# KiCad board slime88.kicad_pcb
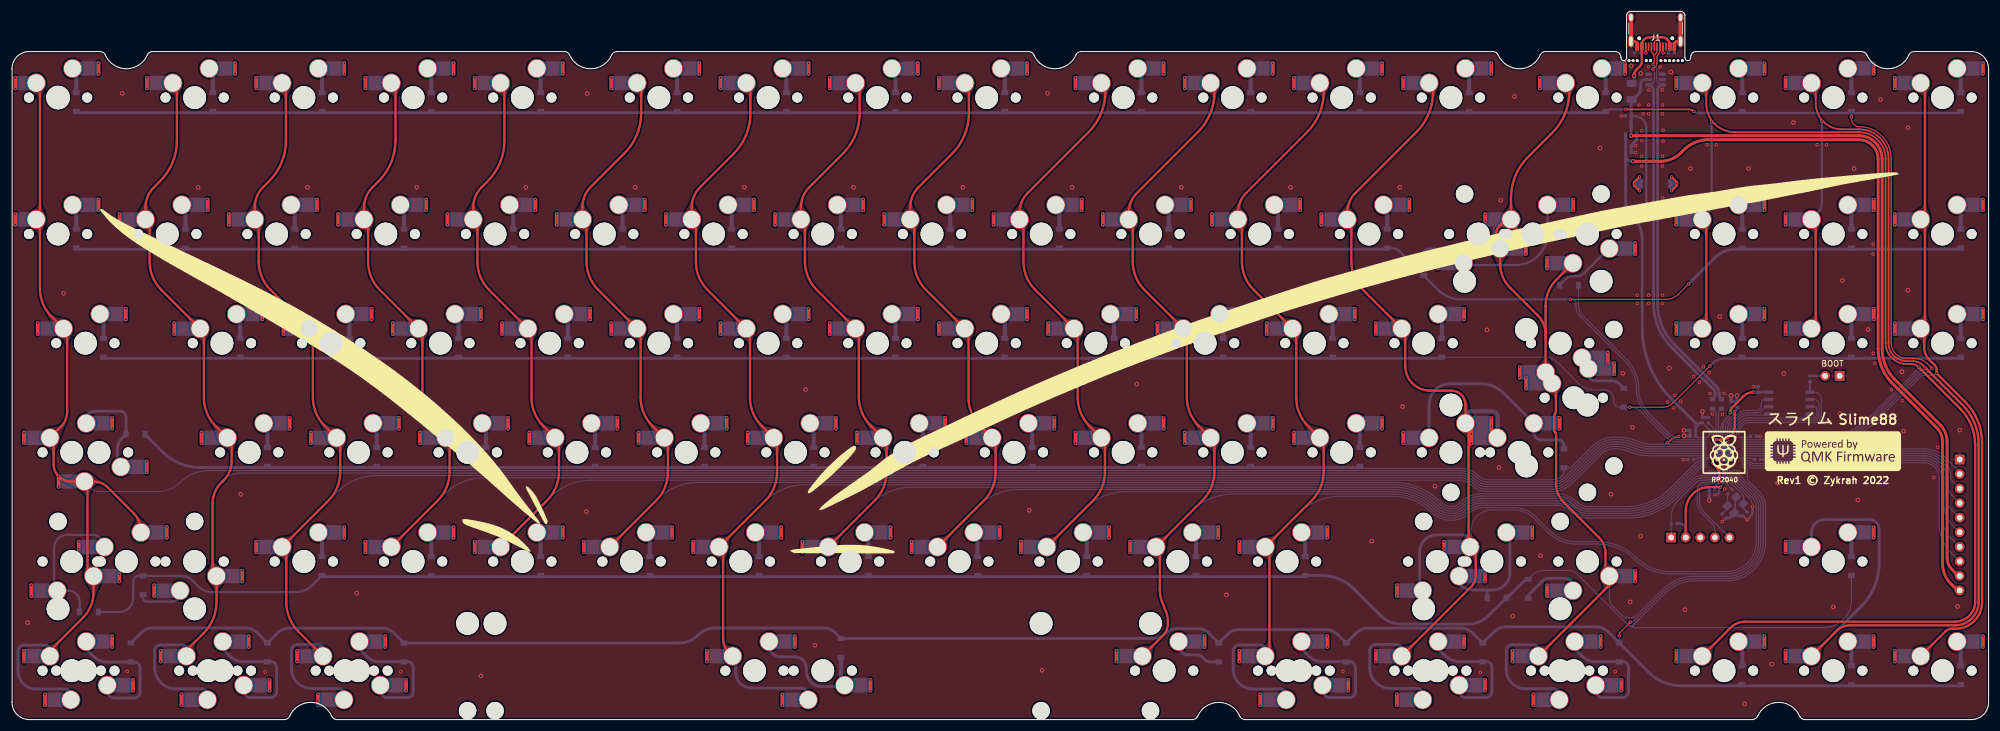
[diagram p0: board, top side]
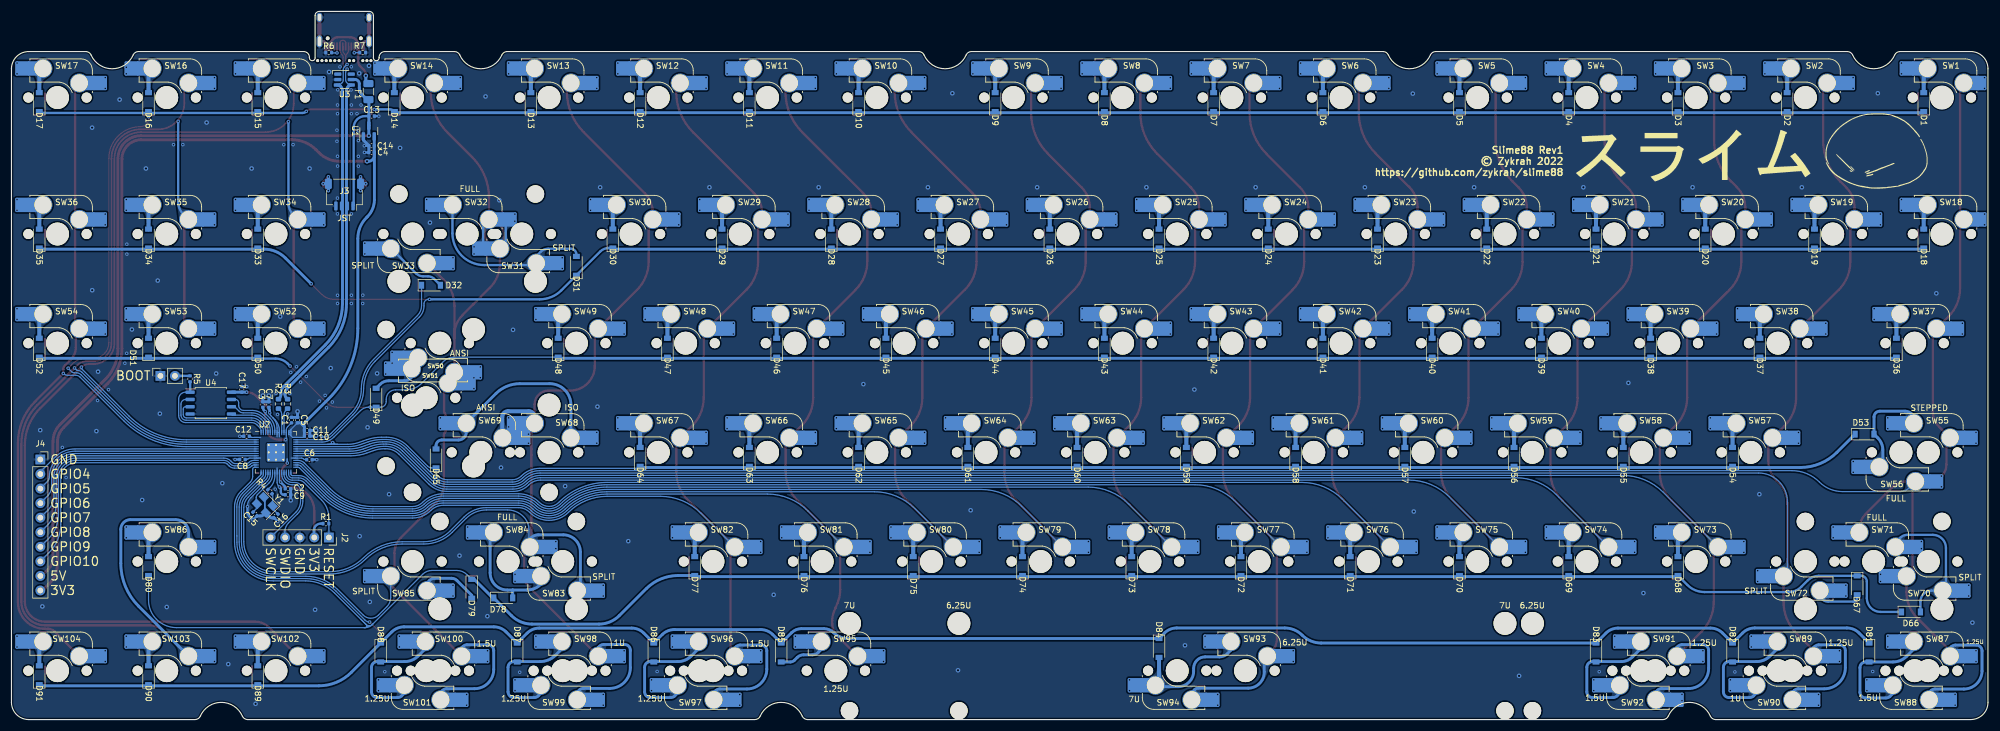
[diagram p1: board, bottom side, seen from below]

Outline 344.66 x 123.56 mm; copper layers: Top, Bottom. Coordinates in mm from the lower left corner of the outline.
Outline path: circle c8.03,108.54 r2 ; 0,113.56 0,3 arc(0.88,0.88) 3,0 47.5,0 arc(48.04,0.16) 48.41,0.6 arc(52.08,3) 55.74,0.6 arc(56.11,0.16) 56.66,0 205.85,0 arc(206.4,0.16) 206.77,0.6 arc(210.43,3) 214.1,0.6 arc(214.47,0.16) 215.01,0 303.48,0 arc(304.03,0.16) 304.4,0.6 arc(308.06,3) 311.73,0.6 arc(312.1,0.16) 312.65,0 341.66,0 arc(343.78,0.88) 344.66,3 344.66,113.56 arc(343.78,115.68) 341.66,116.56 331.7,116.56 arc(331.15,116.4) 330.78,115.96 arc(327.11,113.56) 323.45,115.96 arc(323.08,116.4) 322.53,116.56 293.71,116.56 arc(293,116.27) 292.71,115.56 292.71,115.46 arc(292.21,114.96) 291.71,115.46 291.71,122.86 arc(291.51,123.36) 291.01,123.56 282.25,123.56 arc(281.76,123.36) 281.55,122.86 281.55,115.46 arc(281.05,114.96) 280.55,115.46 280.55,115.56 arc(280.26,116.27) 279.55,116.56 267.4,116.56 arc(266.85,116.4) 266.48,115.96 arc(262.82,113.56) 259.15,115.96 arc(258.78,116.4) 258.24,116.56 186.44,116.56 arc(185.89,116.4) 185.52,115.96 arc(181.86,113.56) 178.19,115.96 arc(177.82,116.4) 177.27,116.56 105.48,116.56 arc(104.93,116.4) 104.56,115.96 arc(100.89,113.56) 97.23,115.96 arc(96.86,116.4) 96.31,116.56 24.51,116.56 arc(23.97,116.4) 23.6,115.96 arc(19.93,113.56) 16.27,115.96 arc(15.9,116.4) 15.35,116.56 3,116.56 arc(0.88,115.68) 0,113.56
Stack: Top 0.035mm / dielectric 1.51mm FR4 er 4.5 / Bottom 0.035mm

## Placement (name value [footprint] x y rotation side)
C1  1uF  [C_0402_1005Metric]  295.82 52.26 90 bottom
C2  100nF  [C_0402_1005Metric]  296.44 40.28 180 bottom
C3  100nF  [C_0402_1005Metric]  300.82 54.97 90 bottom
C4  10uF  [C_0402_1005Metric]  281.88 98.97 0 bottom
C5  1uF  [C_0402_1005Metric]  294.78 52.25 90 bottom
C6  100nF  [C_0402_1005Metric]  292.71 45.36 180 bottom
C7  100nF  [C_0402_1005Metric]  299.78 54.97 90 bottom
C8  100nF  [C_0402_1005Metric]  304.38 45.38 0 bottom
C9  100nF  [C_0402_1005Metric]  296.44 39.22 180 bottom
C10  100nF  [C_0402_1005Metric]  293.11 49.46 180 bottom
C11  100nF  [C_0402_1005Metric]  293.11 50.46 180 bottom
C12  100nF  [C_0402_1005Metric]  303.67 49.44 0 bottom
C13  1uF  [C_0402_1005Metric]  281.86 105.31 0 bottom
C14  1uF  [C_0402_1005Metric]  281.88 100.13 180 bottom
C15  22pF  [C_0402_1005Metric]  302.2 35.86 45 bottom
C16  22pF  [C_0402_1005Metric]  298.53 35.52 135 bottom
C17  100nF  [C_0402_1005Metric]  304.49 57.61 90 bottom
D1  D  [D_SOD-123]  11.2 107.74 90 bottom
D2  D  [D_SOD-123]  35.01 107.74 90 bottom
D3  D  [D_SOD-123]  54.06 107.74 90 bottom
D4  D  [D_SOD-123]  73.11 107.74 90 bottom
D5  D  [D_SOD-123]  92.16 107.74 90 bottom
D6  D  [D_SOD-123]  115.98 107.74 90 bottom
D7  D  [D_SOD-123]  135.02 107.74 90 bottom
D8  D  [D_SOD-123]  154.07 107.74 90 bottom
D9  D  [D_SOD-123]  173.12 107.74 90 bottom
D10  D  [D_SOD-123]  196.94 107.74 90 bottom
D11  D  [D_SOD-123]  215.99 107.74 90 bottom
D12  D  [D_SOD-123]  235.04 107.74 90 bottom
D13  D  [D_SOD-123]  254.09 107.74 90 bottom
D14  D  [D_SOD-123]  277.9 107.74 90 bottom
D15  D  [D_SOD-123]  301.71 107.74 90 bottom
D16  D  [D_SOD-123]  320.76 107.74 90 bottom
D17  D  [D_SOD-123]  339.81 107.74 90 bottom
D18  D  [D_SOD-123]  11.2 83.93 90 bottom
D19  D  [D_SOD-123]  30.25 83.93 90 bottom
D20  D  [D_SOD-123]  49.3 83.93 90 bottom
D21  D  [D_SOD-123]  68.35 83.93 90 bottom
D22  D  [D_SOD-123]  87.4 83.93 90 bottom
D23  D  [D_SOD-123]  106.45 83.93 90 bottom
D24  D  [D_SOD-123]  125.5 83.93 90 bottom
D25  D  [D_SOD-123]  144.55 83.93 90 bottom
D26  D  [D_SOD-123]  163.6 83.93 90 bottom
D27  D  [D_SOD-123]  182.65 83.93 90 bottom
D28  D  [D_SOD-123]  201.7 83.93 90 bottom
D29  D  [D_SOD-123]  220.75 83.93 90 bottom
D30  D  [D_SOD-123]  239.8 83.93 90 bottom
D31  D  [D_SOD-123]  246.15 79.17 90 bottom
D32  D  [D_SOD-123]  271.5 75.79 180 bottom
D33  D  [D_SOD-123]  301.71 83.93 90 bottom
D34  D  [D_SOD-123]  320.76 83.93 90 bottom
D35  D  [D_SOD-123]  339.81 83.93 90 bottom
D36  D  [D_SOD-123]  15.96 64.88 90 bottom
D37  D  [D_SOD-123]  39.78 64.88 90 bottom
D38  D  [D_SOD-123]  58.83 64.88 90 bottom
D39  D  [D_SOD-123]  77.88 64.88 90 bottom
D40  D  [D_SOD-123]  96.92 64.88 90 bottom
D41  D  [D_SOD-123]  115.98 64.88 90 bottom
D42  D  [D_SOD-123]  135.02 64.88 90 bottom
D43  D  [D_SOD-123]  154.07 64.88 90 bottom
D44  D  [D_SOD-123]  173.12 64.88 90 bottom
D45  D  [D_SOD-123]  192.18 64.88 90 bottom
D46  D  [D_SOD-123]  211.23 64.88 90 bottom
D47  D  [D_SOD-123]  230.28 64.88 90 bottom
D48  D  [D_SOD-123]  249.32 64.88 90 bottom
D49  D  [D_SOD-123]  281.07 56.15 90 bottom
D50  D  [D_SOD-123]  301.71 64.88 90 bottom
D51  D  [D_SOD-123]  320.76 64.88 90 bottom
D52  D  [D_SOD-123]  339.81 64.88 90 bottom
D53  D  [D_SOD-123]  21.52 49.8 180 bottom
D54  D  [D_SOD-123]  44.54 45.83 90 bottom
D55  D  [D_SOD-123]  63.59 45.83 90 bottom
D56  D  [D_SOD-123]  82.64 45.83 90 bottom
D57  D  [D_SOD-123]  101.69 45.83 90 bottom
D58  D  [D_SOD-123]  120.74 45.83 90 bottom
D59  D  [D_SOD-123]  139.79 45.83 90 bottom
D60  D  [D_SOD-123]  158.84 45.83 90 bottom
D61  D  [D_SOD-123]  177.89 45.83 90 bottom
D62  D  [D_SOD-123]  196.94 45.83 90 bottom
D63  D  [D_SOD-123]  215.99 45.83 90 bottom
D64  D  [D_SOD-123]  235.04 45.83 90 bottom
D65  D  [D_SOD-123]  270.62 45.57 90 bottom
D66  D  [D_SOD-123]  13.43 18.78 180 bottom
D67  D  [D_SOD-123]  22.8 23.43 270 bottom
D68  D  [D_SOD-123]  54.06 26.78 90 bottom
D69  D  [D_SOD-123]  73.11 26.78 90 bottom
D70  D  [D_SOD-123]  92.16 26.78 90 bottom
D71  D  [D_SOD-123]  111.21 26.78 90 bottom
D72  D  [D_SOD-123]  130.26 26.78 90 bottom
D73  D  [D_SOD-123]  149.31 26.78 90 bottom
D74  D  [D_SOD-123]  168.36 26.78 90 bottom
D75  D  [D_SOD-123]  187.41 26.78 90 bottom
D76  D  [D_SOD-123]  206.46 26.78 90 bottom
D77  D  [D_SOD-123]  225.51 26.78 90 bottom
D78  D  [D_SOD-123]  258.91 21.22 180 bottom
D79  D  [D_SOD-123]  264.41 22.81 270 bottom
D80  D  [D_SOD-123]  320.76 26.78 90 bottom
D81  D  [D_SOD-123]  20.73 11.7 270 bottom
D82  D  [D_SOD-123]  44.54 11.7 270 bottom
D83  D  [D_SOD-123]  68.35 11.7 270 bottom
D84  D  [D_SOD-123]  144.55 12.49 270 bottom
D85  D  [D_SOD-123]  210.43 11.7 270 bottom
D86  D  [D_SOD-123]  232.66 11.7 270 bottom
D87  D  [D_SOD-123]  256.47 11.7 270 bottom
D88  D  [D_SOD-123]  280.28 11.7 270 bottom
D89  D  [D_SOD-123]  301.71 7.73 90 bottom
D90  D  [D_SOD-123]  320.76 7.73 90 bottom
D91  D  [D_SOD-123]  339.81 7.73 90 bottom
F1  500mA  [Fuse_1206_3216Metric]  282.42 109.58 270 bottom
G***  LOGO  [slime_kata_small]  293.69 56.57 0 top
G***#2  LOGO  [small_slime]  19.14 99.01 0 top
G***#3  -  [LOGO]  317.53 46.84 0 top
G***#4  -  [LOGO]  298.53 46.48 0 top
G***#5  LOGO  [slime_ink]  172.3 63.99 0 top
G***#6  LOGO  [slime_kata]  54.42 98.24 180 bottom
J1  USB_C  [USB_C_Receptacle_HRO_TYPE-C-31-M-12]  286.63 121.48 180 top
J2  SWD  [PinSocket_1x05_P2.54mm_Vertical]  289.31 31.77 270 bottom
J3  JST-SH-4P  [JST_SH_SM04B-SRSS-TB_1x04-1MP_P1.00mm_Horizontal]  286.6 91.62 0 bottom
J4  Pin Breakout  [PinSocket_1x10_P2.54mm_Vertical]  339.63 45.38 180 bottom
R1  10k  [R_0402_1005Metric]  289.83 34.19 180 bottom
R2  27R  [R_0603_1608Metric]  298.1 55.08 270 bottom
R3  27R  [R_0603_1608Metric]  296.52 55.08 270 bottom
R4  1k  [R_0402_1005Metric]  299.59 39.76 45 bottom
R5  1k  [R_0402_1005Metric]  313.52 59.46 270 bottom
R6  5.1k  [R_0402_1005Metric]  289.35 116.39 0 bottom
R7  5.1k  [R_0402_1005Metric]  283.42 116.39 180 bottom
S1  BACKSPACE  [STAB_MX_2u]  265.2 84.73 0 top
S2  ISO_ENTER  [STAB_MX_ISO_FLIPPED]  272.34 56.15 0 top
S3  ANSI_ENTER  [STAB_MX_2.25u]  262.82 46.62 180 top
S4  LSHIFT  [STAB_MX_2.25u]  19.93 27.58 180 bottom
S5  RSHIFT  [STAB_MX_2.75u]  258.06 27.58 0 top
S6  6.25U_SPACE  [STAB_MX_6.25u]  129.44 8.53 180 top
S7  7U_SPACE  [STAB_MX_7u]  141.38 8.53 180 top
SW0  Boot  [PinSocket_1x02_P2.54mm_Vertical]  318.69 59.97 90 bottom
SW1  ?  [SW_MX_HS_1u#3]  8.03 108.54 180 bottom
SW2  ?  [SW_MX_HS_1u]  31.84 108.54 180 bottom
SW3  ?  [SW_MX_HS_1u]  50.89 108.54 180 bottom
SW4  ?  [SW_MX_HS_1u]  69.94 108.54 180 bottom
SW5  ?  [SW_MX_HS_1u]  88.99 108.54 180 bottom
SW6  ?  [SW_MX_HS_1u]  112.8 108.54 180 bottom
SW7  ?  [SW_MX_HS_1u]  131.85 108.54 180 bottom
SW8  ?  [SW_MX_HS_1u]  150.9 108.54 180 bottom
SW9  ?  [SW_MX_HS_1u]  169.95 108.54 180 bottom
SW10  ?  [SW_MX_HS_1u]  193.76 108.54 180 bottom
SW11  ?  [SW_MX_HS_1u]  212.81 108.54 180 bottom
SW12  ?  [SW_MX_HS_1u]  231.86 108.54 180 bottom
SW13  ?  [SW_MX_HS_1u]  250.91 108.54 180 bottom
SW14  ?  [SW_MX_HS_1u#2]  274.73 108.54 180 bottom
SW15  ?  [SW_MX_HS_1u]  298.54 108.54 180 bottom
SW16  ?  [SW_MX_HS_1u]  317.59 108.54 180 bottom
SW17  ?  [SW_MX_HS_1u]  336.64 108.54 180 bottom
SW18  ?  [SW_MX_HS_1u#4]  8.03 84.73 180 bottom
SW19  ?  [SW_MX_HS_1u]  27.08 84.73 180 bottom
SW20  ?  [SW_MX_HS_1u]  46.12 84.73 180 bottom
SW21  ?  [SW_MX_HS_1u]  65.17 84.73 180 bottom
SW22  ?  [SW_MX_HS_1u]  84.23 84.73 180 bottom
SW23  ?  [SW_MX_HS_1u]  103.27 84.73 180 bottom
SW24  ?  [SW_MX_HS_1u]  122.33 84.73 180 bottom
SW25  ?  [SW_MX_HS_1u]  141.38 84.73 180 bottom
SW26  ?  [SW_MX_HS_1u]  160.43 84.73 180 bottom
SW27  ?  [SW_MX_HS_1u]  179.48 84.73 180 bottom
SW28  ?  [SW_MX_HS_1u]  198.52 84.73 180 bottom
SW29  ?  [SW_MX_HS_1u]  217.57 84.73 180 bottom
SW30  ?  [SW_MX_HS_1u]  236.62 84.73 180 bottom
SW31  ?  [SW_MX_HS_1u]  255.68 84.73 0 bottom
SW32  ?  [SW_MX_HS_1u]  265.2 84.73 180 bottom
SW33  ?  [SW_MX_HS_1u]  274.73 84.73 0 bottom
SW34  ?  [SW_MX_HS_1u]  298.54 84.73 180 bottom
SW35  ?  [SW_MX_HS_1u]  317.59 84.73 180 bottom
SW36  ?  [SW_MX_HS_1u]  336.64 84.73 180 bottom
SW37  ?  [SW_MX_HS_1.5u]  12.79 65.67 180 bottom
SW38  ?  [SW_MX_HS_1u]  36.6 65.67 180 bottom
SW39  ?  [SW_MX_HS_1u]  55.65 65.67 180 bottom
SW40  ?  [SW_MX_HS_1u]  74.7 65.67 180 bottom
SW41  ?  [SW_MX_HS_1u]  93.75 65.67 180 bottom
SW42  ?  [SW_MX_HS_1u]  112.8 65.67 180 bottom
SW43  ?  [SW_MX_HS_1u]  131.85 65.67 180 bottom
SW44  ?  [SW_MX_HS_1u]  150.9 65.67 180 bottom
SW45  ?  [SW_MX_HS_1u]  169.95 65.67 180 bottom
SW46  ?  [SW_MX_HS_1u]  189 65.67 180 bottom
SW47  ?  [SW_MX_HS_1u]  208.05 65.67 180 bottom
SW48  ?  [SW_MX_HS_1u]  227.1 65.67 180 bottom
SW49  ?  [SW_MX_HS_1u]  246.15 65.67 180 bottom
SW50  ?  [SW_MX_HS_1.5u]  269.96 65.67 0 bottom
SW51  ?  [SW_MX_HS_1u]  272.34 56.15 180 bottom
SW52  ?  [SW_MX_HS_1u]  298.54 65.67 180 bottom
SW53  ?  [SW_MX_HS_1u]  317.59 65.67 180 bottom
SW54  ?  [SW_MX_HS_1u]  336.64 65.67 180 bottom
SW55  ?  [SW_MX_HS_1.75u_stp]  10.41 46.62 180 bottom
SW56  ?  [SW_MX_HS_1.75u]  15.17 46.62 0 bottom
SW57  ?  [SW_MX_HS_1u]  41.36 46.62 180 bottom
SW58  ?  [SW_MX_HS_1u]  60.41 46.62 180 bottom
SW59  ?  [SW_MX_HS_1u]  79.46 46.62 180 bottom
SW60  ?  [SW_MX_HS_1u]  98.51 46.62 180 bottom
SW61  ?  [SW_MX_HS_1u]  117.56 46.62 180 bottom
SW62  ?  [SW_MX_HS_1u]  136.61 46.62 180 bottom
SW63  ?  [SW_MX_HS_1u]  155.66 46.62 180 bottom
SW64  ?  [SW_MX_HS_1u]  174.71 46.62 180 bottom
SW65  ?  [SW_MX_HS_1u]  193.76 46.62 180 bottom
SW66  ?  [SW_MX_HS_1u]  212.81 46.62 180 bottom
SW67  ?  [SW_MX_HS_1u]  231.86 46.62 180 bottom
SW68  ?  [SW_MX_HS_1u]  250.91 46.62 180 bottom
SW69  ?  [SW_MX_HS_1u]  262.82 46.62 180 bottom
SW70  ?  [SW_MX_HS_1.25u]  10.41 27.58 0 bottom
SW71  ?  [SW_MX_HS_1u]  19.93 27.58 180 bottom
SW72  ?  [SW_MX_HS_1u]  31.84 27.58 0 bottom
SW73  ?  [SW_MX_HS_1u]  50.89 27.58 180 bottom
SW74  ?  [SW_MX_HS_1u]  69.94 27.58 180 bottom
SW75  ?  [SW_MX_HS_1u]  88.99 27.58 180 bottom
SW76  ?  [SW_MX_HS_1u]  108.04 27.58 180 bottom
SW77  ?  [SW_MX_HS_1u]  127.09 27.58 180 bottom
SW78  ?  [SW_MX_HS_1u]  146.14 27.58 180 bottom
SW79  ?  [SW_MX_HS_1u]  165.19 27.58 180 bottom
SW80  ?  [SW_MX_HS_1u]  184.24 27.58 180 bottom
SW81  ?  [SW_MX_HS_1u]  203.29 27.58 180 bottom
SW82  ?  [SW_MX_HS_1u]  222.34 27.58 180 bottom
SW83  ?  [SW_MX_HS_1.75u]  248.53 27.58 0 bottom
SW84  ?  [SW_MX_HS_1u]  258.06 27.58 180 bottom
SW85  ?  [SW_MX_HS_1u]  274.73 27.58 0 bottom
SW86  ?  [SW_MX_HS_1u]  317.59 27.58 180 bottom
SW87  ?  [SW_MX_HS_1.25u]  10.41 8.53 180 bottom
SW88  ?  [SW_MX_HS_1.5u]  12.79 8.53 0 bottom
SW89  ?  [SW_MX_HS_1.25u]  34.22 8.53 180 bottom
SW90  ?  [SW_MX_HS_1u]  36.6 8.53 0 bottom
SW91  ?  [SW_MX_HS_1.25u]  58.03 8.53 180 bottom
SW92  ?  [SW_MX_HS_1.5u]  60.41 8.53 0 bottom
SW93  ?  [SW_MX_HS_1u]  129.47 8.53 180 bottom
SW94  ?  [SW_MX_HS_1u]  141.38 8.53 0 bottom
SW95  ?  [SW_MX_HS_1.25u]  200.91 8.53 180 bottom
SW96  ?  [SW_MX_HS_1.5u]  222.34 8.53 180 bottom
SW97  ?  [SW_MX_HS_1.25u]  224.72 8.53 0 bottom
SW98  ?  [SW_MX_HS_1u]  246.15 8.53 180 bottom
SW99  ?  [SW_MX_HS_1.25u]  248.53 8.53 0 bottom
SW100  ?  [SW_MX_HS_1.5u]  269.96 8.53 180 bottom
SW101  ?  [SW_MX_HS_1.25u]  272.34 8.53 0 bottom
SW102  ?  [SW_MX_HS_1u]  298.54 8.53 180 bottom
SW103  ?  [SW_MX_HS_1u]  317.59 8.53 180 bottom
SW104  ?  [SW_MX_HS_1u]  336.64 8.53 180 bottom
U1  XC6206  [SOT-23]  282.35 102.7 90 bottom
U2  RP2040  [RP2040-QFN-56]  298.54 46.62 180 bottom
U3  SRV05-4  [SOT-23-6-routable]  286.58 111.68 180 bottom
U4  W25Q128JVS  [SOIC-8_5.23x5.23mm_P1.27mm]  309.9 55.22 180 bottom
Y1  12MHz  [Crystal_SMD_3225-4Pin_3.2x2.5mm]  300.48 37.46 45 bottom

## Library data of the parts
C1 C5 C13 C14 = -: LCSC: C52923
C2 C3 C6-C12 C17 = -: LCSC: C1525
C4 = -: LCSC: C15525
C15 C16 = -: LCSC: C1555
F1 = -: LCSC: C70076
R1 = -: LCSC: C25744
R2 R3 = -: LCSC: C25190
R4 R5 = -: LCSC: C11702
R6 R7 = -: LCSC: C25905
Y1 = -: LCSC: C9002

## Footprints (pads in the part's own frame, mm; a bottom-side part is the same pattern mirrored in y, then rotated)
C_0402_1005Metric
  rrect 0.56x0.62 smd: 1(-0.48,0) 2(0.48,0)
Crystal_SMD_3225-4Pin_3.2x2.5mm
  rect 1.4x1.2 smd: 1(-1.1,-0.85) 2(1.1,-0.85) 3(1.1,0.85) 4(-1.1,0.85)
D_SOD-123
  rect 0.9x1.2 smd: 1(-1.65,0) 2(1.65,0)
Fuse_1206_3216Metric
  rrect 1.25x1.75 smd: 1(-1.4,0) 2(1.4,0)
JST_SH_SM04B-SRSS-TB_1x04-1MP_P1.00mm_Horizontal
  rrect 0.6x1.55 smd: 1(-1.5,2) 2(-0.5,2) 3(0.5,2) 4(1.5,2)
  rrect 1.2x1.8 smd: MP(-2.8,-1.875) MP(2.8,-1.875)
PinSocket_1x02_P2.54mm_Vertical
  rect 1.7x1.7 hole 1: 1(0,0)
  oval 1.7x1.7 hole 1: 2(0,-2.54)
PinSocket_1x05_P2.54mm_Vertical
  rect 1.7x1.7 hole 1: 1(0,0)
  oval 1.7x1.7 hole 1: 2(0,-2.54) 3(0,-5.08) 4(0,-7.62) 5(0,-10.16)
PinSocket_1x10_P2.54mm_Vertical
  rect 1.7x1.7 hole 1: 1(0,0)
  oval 1.7x1.7 hole 1: 2(0,-2.54) 3(0,-5.08) 4(0,-7.62) 5(0,-10.16) 6(0,-12.7) 7(0,-15.24) 8(0,-17.78) 9(0,-20.32) 10(0,-22.86)
R_0402_1005Metric
  rrect 0.54x0.64 smd: 1(-0.51,0) 2(0.51,0)
R_0603_1608Metric
  rrect 0.8x0.95 smd: 1(-0.825,0) 2(0.825,0)
RP2040-QFN-56
  rrect 1.084x1.084 smd: (-0.637,-0.637) (-0.637,0.637) (0.637,-0.637) (0.637,0.637)
  rrect 0.875x0.2 smd: 1(-3.438,2.6) 2(-3.438,2.2) 3(-3.438,1.8) 4(-3.438,1.4) 5(-3.438,1) 6(-3.438,0.6) 7(-3.438,0.2) 8(-3.438,-0.2) 9(-3.438,-0.6) 10(-3.438,-1) 11(-3.438,-1.4) 12(-3.438,-1.8) 13(-3.438,-2.2) 14(-3.438,-2.6) 29(3.438,-2.6) 30(3.438,-2.2) 31(3.438,-1.8) 32(3.438,-1.4) 33(3.438,-1) 34(3.438,-0.6) 35(3.438,-0.2) 36(3.438,0.2) 37(3.438,0.6) 38(3.438,1) 39(3.438,1.4) 40(3.438,1.8) 41(3.438,2.2) 42(3.438,2.6)
  rrect 0.2x0.875 smd: 15(-2.6,-3.438) 16(-2.2,-3.438) 17(-1.8,-3.438) 18(-1.4,-3.438) 19(-1,-3.438) 20(-0.6,-3.438) 21(-0.2,-3.438) 22(0.2,-3.438) 23(0.6,-3.438) 24(1,-3.438) 25(1.4,-3.438) 26(1.8,-3.438) 27(2.2,-3.438) 28(2.6,-3.438) 43(2.6,3.438) 44(2.2,3.438) 45(1.8,3.438) 46(1.4,3.438) 47(1,3.438) 48(0.6,3.438) 49(0.2,3.438) 50(-0.2,3.438) 51(-0.6,3.438) 52(-1,3.438) 53(-1.4,3.438) 54(-1.8,3.438) 55(-2.2,3.438) 56(-2.6,3.438)
  round 0.6 hole 0.35: 57(-1.275,-1.275) 57(-1.275,0) 57(-1.275,1.275) 57(0,-1.275) 57(0,0) 57(0,1.275) 57(1.275,-1.275) 57(1.275,0) 57(1.275,1.275)
  rrect 3.2x3.2 smd: 57(0,0)
SOIC-8_5.23x5.23mm_P1.27mm
  rrect 1.6x0.6 smd: 1(-3.6,1.905) 2(-3.6,0.635) 3(-3.6,-0.635) 4(-3.6,-1.905) 5(3.6,-1.905) 6(3.6,-0.635) 7(3.6,0.635) 8(3.6,1.905)
SOT-23
  rrect 1.475x0.6 smd: 1(-0.938,0.95) 2(-0.938,-0.95) 3(0.938,0)
SOT-23-6-routable
  rrect 1.25x0.6 smd: 1(-1.175,0.95) 2(-1.175,0) 3(-1.25,-0.95) 4(1.175,-0.95) 5(1.175,0) 6(1.175,0.95)
STAB_MX_2.25u
  round 3.048 hole 3.048 unplated: (-11.906,6.985) (11.906,6.985)
  round 3.988 hole 3.988 unplated: (-11.906,-8.255) (11.906,-8.255)
STAB_MX_2.75u
  round 3.048 hole 3.048 unplated: (-11.906,6.985) (11.906,6.985)
  round 3.988 hole 3.988 unplated: (-11.906,-8.255) (11.906,-8.255)
STAB_MX_2u
  round 3.048 hole 3.048 unplated: (-11.906,6.985) (11.906,6.985)
  round 3.988 hole 3.988 unplated: (-11.906,-8.255) (11.906,-8.255)
STAB_MX_6.25u
  round 3.048 hole 3.048 unplated: (-50.006,6.985) (50.006,6.985)
  round 3.988 hole 3.988 unplated: (-50.006,-8.255) (50.006,-8.255)
STAB_MX_7u
  round 3.048 hole 3.048 unplated: (-57.15,6.985) (57.15,6.985)
  round 3.988 hole 3.988 unplated: (-57.15,-8.255) (57.15,-8.255)
STAB_MX_ISO_FLIPPED
  round 3.988 hole 3.988 unplated: (-8.255,11.906) (-8.255,-11.906)
  round 3.048 hole 3.048 unplated: (6.985,11.906) (6.985,-11.906)
SW_MX_HS_1.5u
  round 1.75 hole 1.75 unplated: (-5.08,0) (5.08,0)
  round 3.988 hole 3.988 unplated: (0,0)
  round 3.3 hole 3: 1(3.81,2.54) 2(-2.54,5.08)
  rect 1.65x2.5 smd: 1(5.635,2.54) 2(-4.34,5.08)
  rrect 2.55x2.5 smd: 1(7.36,2.54) 2(-6.09,5.08)
SW_MX_HS_1.25u
  round 1.75 hole 1.75 unplated: (-5.08,0) (5.08,0)
  round 3.988 hole 3.988 unplated: (0,0)
  round 3.3 hole 3: 1(3.81,2.54) 2(-2.54,5.08)
  rect 1.65x2.5 smd: 1(5.635,2.54) 2(-4.34,5.08)
  rrect 2.55x2.5 smd: 1(7.36,2.54) 2(-6.09,5.08)
SW_MX_HS_1.75u
  round 1.75 hole 1.75 unplated: (-5.08,0) (5.08,0)
  round 3.988 hole 3.988 unplated: (0,0)
  round 3.3 hole 3: 1(3.81,2.54) 2(-2.54,5.08)
  rect 1.65x2.5 smd: 1(5.635,2.54) 2(-4.34,5.08)
  rrect 2.55x2.5 smd: 1(7.36,2.54) 2(-6.09,5.08)
SW_MX_HS_1.75u_stp
  round 1.75 hole 1.75 unplated: (-5.08,0) (5.08,0)
  round 3.988 hole 3.988 unplated: (0,0)
  round 3.3 hole 3: 1(3.81,2.54) 2(-2.54,5.08)
  rect 1.65x2.5 smd: 1(5.635,2.54) 2(-4.34,5.08)
  rrect 2.55x2.5 smd: 1(7.36,2.54) 2(-6.09,5.08)
SW_MX_HS_1u
  round 1.75 hole 1.75 unplated: (-5.08,0) (5.08,0)
  round 3.988 hole 3.988 unplated: (0,0)
  round 3.3 hole 3: 1(3.81,2.54) 2(-2.54,5.08)
  rect 1.65x2.5 smd: 1(5.635,2.54) 2(-4.34,5.08)
  rrect 2.55x2.5 smd: 1(7.36,2.54) 2(-6.09,5.08)
SW_MX_HS_1u#2
  round 1.75 hole 1.75 unplated: (-5.08,0) (5.08,0)
  round 3.988 hole 3.988 unplated: (0,0)
  round 3.3 hole 3: 1(3.81,2.54) 2(-2.54,5.08)
  rect 1.65x2.5 smd: 1(5.635,2.54) 2(-4.34,5.08)
  rrect 2.55x2.5 smd: 1(7.36,2.54)
  rrect 2.047x2.5 smd: 2(-5.833,5.08)
SW_MX_HS_1u#3
  round 1.75 hole 1.75 unplated: (-5.08,0) (5.08,0)
  round 3.988 hole 3.988 unplated: (0,0)
  round 3.3 hole 3: 1(3.81,2.54) 2(-2.54,5.08)
  rect 1.65x2.5 smd: 1(5.635,2.54) 2(-4.34,5.08)
  rrect 1.8x2.5 smd: 1(6.84,2.54)
  rrect 2.55x2.5 smd: 2(-6.09,5.08)
SW_MX_HS_1u#4
  round 1.75 hole 1.75 unplated: (-5.08,0) (5.08,0)
  round 3.988 hole 3.988 unplated: (0,0)
  round 3.3 hole 3: 1(3.81,2.54) 2(-2.54,5.08)
  rect 1.65x2.5 smd: 1(5.635,2.54) 2(-4.34,5.08)
  rrect 1.8x2.5 smd: 1(6.875,2.54)
  rrect 2.55x2.5 smd: 2(-6.09,5.08)
USB_C_Receptacle_HRO_TYPE-C-31-M-12
  round 0.5 hole 0.5 unplated: (-4.64,6.5) (-3.89,6.5) (-3.15,6.5) (-2.4,6.5) (-1.65,6.5) (-0.9,6.5) (0.9,6.5) (1.65,6.5) (3.24,6.5) (3.95,6.5) (4.65,6.5)
  round 0.65 hole 0.65 unplated: (-2.89,2.6) (2.89,2.6)
  rect 0.6x1.45 smd: A1(-3.25,4.045) A4(-2.45,4.045) A9(2.45,4.045) A12(3.25,4.045) B1(3.25,4.045) B4(2.45,4.045) B9(-2.45,4.045) B12(-3.25,4.045)
  rect 0.3x1.45 smd: A5(-1.25,4.045) A6(-0.25,4.045) A7(0.25,4.045) A8(1.25,4.045) B5(1.75,4.045) B6(0.75,4.045) B7(-0.75,4.045) B8(-1.75,4.045)
  oval 1x2.1 hole 0.6x1.7: S1(-4.32,3.13) S1(4.32,3.13)
  oval 1x1.6 hole 0.6x1.2: S1(-4.32,-1.05) S1(4.32,-1.05)

## Nets
+1V1: C1.1 C2.1 C3.1 U2.23 U2.45 U2.50
+3V3: C4.1 C5.1 C6.1 C7.1 C8.1 C9.1 C10.1 C11.1 C12.1 C14.2 C17.1 J2.2 J4.10 R1.1 U1.2 U2.1 U2.10 U2.22 U2.33 U2.42 U2.43 U2.44 U2.48 U2.49 U4.8
+5V: C13.2 F1.2 J3.1 J4.9 U1.3 U3.5
GND: C1.2 C2.2 C3.2 C4.2 C5.2 C6.2 C7.2 C8.2 C9.2 C10.2 C11.2 C12.2 C13.1 C14.1 C15.1 C16.1 C17.2 J1.A1 J1.A12 J1.B1 J1.B12 J1.S1 J2.3 J3.4 J4.1 R6.2 R7.2 SW0.1 U1.1 U2.19 U2.57 U3.2 U4.4 Y1.2 Y1.4
VBUS: F1.1 J1.A4 J1.A9 J1.B4 J1.B9
/CC1: J1.A5 R6.1
/CC2: J1.B5 R7.1
/D_+: R2.2 U2.47
/D_-: R3.2 U2.46
/XTAL_O: C16.2 R4.1 Y1.1
/~{USB_BOOT}: R5.1 SW0.2
COL0: SW1.1 SW18.1 SW37.1 SW55.1 SW56.2 SW70.1 SW71.2 SW87.1 SW88.2 U2.38
COL1: SW2.1 SW19.1 SW38.1 SW57.1 SW72.1 SW89.1 SW90.2 U2.37
COL2: SW3.1 SW20.1 SW39.1 SW58.1 SW73.1 SW91.1 SW92.2 U2.36
COL3: SW4.1 SW21.1 SW40.1 SW59.1 SW74.1 U2.35
COL4: SW5.1 SW22.1 SW41.1 SW60.1 SW75.1 U2.34
COL5: SW6.1 SW23.1 SW42.1 SW61.1 SW76.1 U2.32
COL6: SW7.1 SW24.1 SW43.1 SW62.1 SW77.1 SW93.1 SW94.2 U2.31
COL7: SW8.1 SW25.1 SW44.1 SW63.1 SW78.1 U2.30
COL8: SW9.1 SW26.1 SW45.1 SW64.1 SW79.1 U2.29
COL9: SW10.1 SW27.1 SW46.1 SW65.1 SW80.1 U2.28
COL10: SW11.1 SW28.1 SW47.1 SW66.1 SW81.1 SW95.1 U2.27
COL11: SW12.1 SW29.1 SW48.1 SW67.1 SW82.1 SW96.1 SW97.2 U2.18
COL12: SW13.1 SW30.1 SW49.1 SW68.2 SW69.1 SW83.2 SW84.1 SW98.1 SW99.2 U2.17
COL13: SW14.1 SW31.1 SW32.1 SW33.2 SW50.2 SW51.1 SW85.1 SW100.1 SW101.2 U2.16
COL14: SW15.1 SW34.1 SW52.1 SW102.1 U2.2
COL15: SW16.1 SW35.1 SW53.1 SW86.1 SW103.1 U2.3
COL16: SW17.1 SW36.1 SW54.1 SW104.1 U2.5
CS: R5.2 U2.56 U4.1
DBUS+: J1.A6 J1.B6 J3.3 R2.1 U3.3
DBUS-: J1.A7 J1.B7 J3.2 R3.1 U3.4
GPIO4: J4.2 U2.6
GPIO5: J4.3 U2.7
GPIO6: J4.4 U2.8
GPIO7: J4.5 U2.9
GPIO8: J4.6 U2.11
GPIO9: J4.7 U2.12
GPIO10: J4.8 U2.13
QSPI_CLK: U2.52 U4.6
ROW0: D1.1 D2.1 D3.1 D4.1 D5.1 D6.1 D7.1 D8.1 D9.1 D10.1 D11.1 D12.1 D13.1 D14.1 D15.1 D16.1 D17.1 U2.4
ROW1: D18.1 D19.1 D20.1 D21.1 D22.1 D23.1 D24.1 D25.1 D26.1 D27.1 D28.1 D29.1 D30.1 D31.1 D33.1 D34.1 D35.1 U2.41
ROW2: D36.1 D37.1 D38.1 D39.1 D40.1 D41.1 D42.1 D43.1 D44.1 D45.1 D46.1 D47.1 D48.1 D49.1 D50.1 D51.1 D52.1 U2.40
ROW3: D32.1 D53.1 D54.1 D55.1 D56.1 D57.1 D58.1 D59.1 D60.1 D61.1 D62.1 D63.1 D64.1 D65.1 U2.39
ROW4: D66.1 D67.1 D68.1 D69.1 D70.1 D71.1 D72.1 D73.1 D74.1 D75.1 D76.1 D77.1 D78.1 D79.1 D80.1 U2.14
ROW5: D81.1 D82.1 D83.1 D84.1 D85.1 D86.1 D87.1 D88.1 D89.1 D90.1 D91.1 U2.15
SD0: U2.53 U4.5
SD1: U2.55 U4.2
SD2: U2.54 U4.3
SD3: U2.51 U4.7
SWCLK: J2.5 U2.24
SWD: J2.4 U2.25
XTAL_IN: C15.2 U2.20 Y1.3
XTAL_OUT: R4.2 U2.21
~{RESET}: J2.1 R1.2 U2.26
Net-(D1-Pad2): D1.2 SW1.2
Net-(D2-Pad2): D2.2 SW2.2
Net-(D3-Pad2): D3.2 SW3.2
Net-(D4-Pad2): D4.2 SW4.2
Net-(D5-Pad2): D5.2 SW5.2
Net-(D6-Pad2): D6.2 SW6.2
Net-(D7-Pad2): D7.2 SW7.2
Net-(D8-Pad2): D8.2 SW8.2
Net-(D9-Pad2): D9.2 SW9.2
Net-(D10-Pad2): D10.2 SW10.2
Net-(D11-Pad2): D11.2 SW11.2
Net-(D12-Pad2): D12.2 SW12.2
Net-(D13-Pad2): D13.2 SW13.2
Net-(D14-Pad2): D14.2 SW14.2
Net-(D15-Pad2): D15.2 SW15.2
Net-(D16-Pad2): D16.2 SW16.2
Net-(D17-Pad2): D17.2 SW17.2
Net-(D18-Pad2): D18.2 SW18.2